# Altium PCB m-BLANC.PcbDoc (part 9 of 15) (continued)
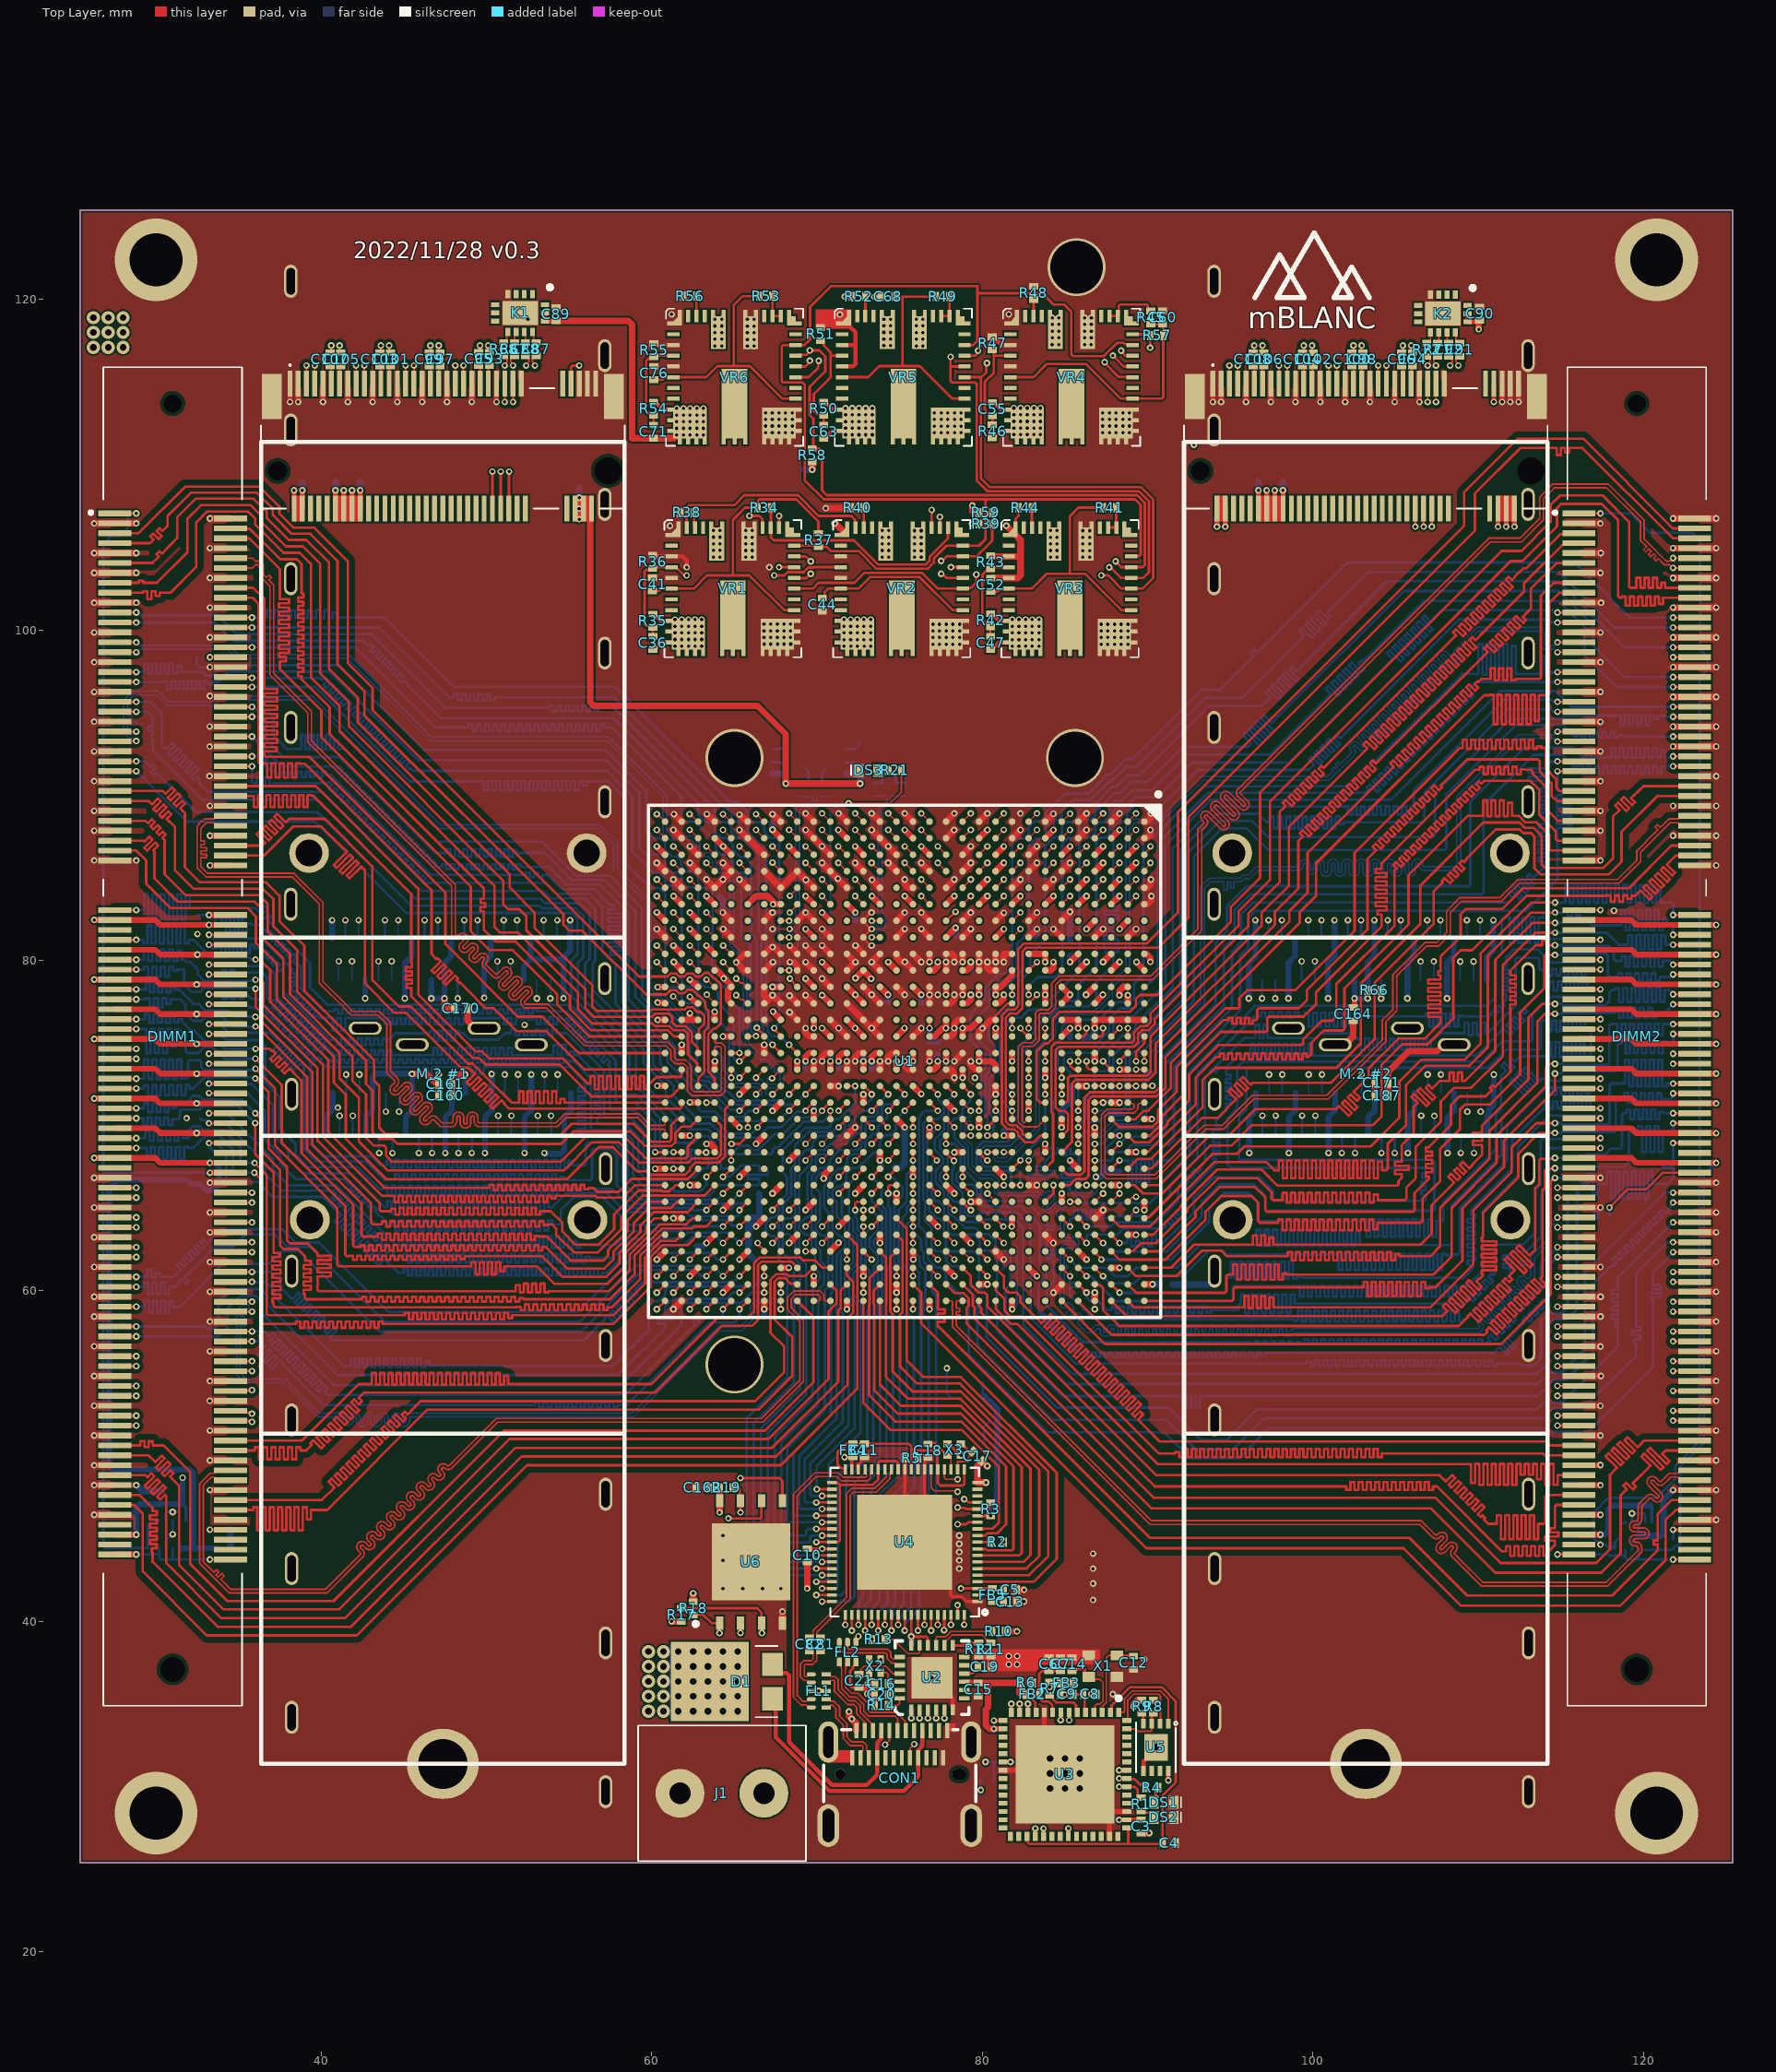
[diagram p0: Top Layer view]
## Nets (pads, with @x,y where several pads share a name; then routed paths per layer and width w, separated by ;. In a path a pad name is that pad's centre, name@x,y a point inside that pad or via, vN(x,y) a via of type N, cw(c..) or ccw(c..) an arc to the next point about the centre after c; other vN are vias at no path point) (continued)
DRAM2_EVENT#: DIMM2.198 R32.1 | length 1.9
  Top Layer w0.15: v1(121.8,45.55) DIMM2.198@123.1,45.55
  Bottom Layer w0.15: v1(121.8,45.55) 121.806,45.544 121.806,44.987 R32.1@121.812,44.981
DRAM2_ODT0: DIMM2.116 R22.1 U1.E30 | length 71.8
  Top Layer w0.15: U1.E30@85.8,59.4 85.8,59.37 87.82,57.35 110.376,57.35 110.387,57.361 110.576,57.55 110.494,57.632 110.671,57.809 111.11,57.37 111.287,57.546 110.756,58.078 110.932,58.255 111.464,57.723 111.641,57.9 111.109,58.431 111.286,58.608 111.817,58.077 111.994,58.254 111.463,58.785 111.64,58.962 112.171,58.43 112.348,58.607 111.816,59.139 111.993,59.315 112.525,58.784 112.701,58.961 112.17,59.492 112.347,59.669 112.878,59.137 113.055,59.314 112.523,59.846 112.7,60.022 113.232,59.491 113.408,59.668 112.877,60.199 113.054,60.376 113.585,59.845 113.762,60.021 113.231,60.553 113.407,60.73 113.939,60.198 114.116,60.375 113.758,60.732 113.811,60.785 113.892,60.866 113.892,66.094 114.042,66.245 114.042,67.302 114.13,67.39 114.606,67.39 v1(114.65,67.434) ; v1(121.8,70.15) DIMM2.116@123.1,70.15
  Bottom Layer w0.15: v1(114.65,67.434) 116.341,67.434 116.422,67.515 118.805,67.515 119.124,67.833 119.124,69.557 119.212,69.645 119.6,69.645 119.675,69.645 119.675,69.977 119.925,69.977 119.925,68.406 120.175,68.406 120.175,69.977 120.425,69.977 120.425,68.406 120.675,68.406 120.675,69.977 120.925,69.977 120.925,68.406 121.175,68.406 121.175,69.645 121.266,69.645 121.712,69.645 121.8,69.733 v1(121.8,70.15) 121.803,70.147 R22.1@122.464,70.147
DRAM2_ODT1: DIMM2.120 R24.1 U1.F30 | length 72.3
  Top Layer w0.15: U1.F30@84.8,59.4 87.407,56.793 111.386,56.793 114.396,59.803 114.396,66.629 114.609,66.842 v1(114.65,66.842) ; v1(121.8,68.95) DIMM2.120@123.1,68.95
  Bottom Layer w0.15: v1(114.65,66.842) 115.958,66.842 116.325,66.475 116.601,66.475 116.676,66.475 116.676,67.125 116.926,67.125 116.926,65.813 117.176,65.813 117.176,66.475 117.687,66.475 117.718,66.475 117.793,66.475 117.793,67.227 118.043,67.227 118.043,65.584 118.293,65.584 118.293,67.227 118.543,67.227 118.543,65.584 118.793,65.584 118.793,67.227 119.043,67.227 119.043,65.584 119.293,65.584 119.293,67.227 119.543,67.227 119.543,65.584 119.793,65.584 119.793,67.227 120.043,67.227 120.043,65.584 120.293,65.584 120.293,67.227 120.543,67.227 120.543,66.475 120.793,66.475 121.475,66.475 121.8,66.8 121.8,67.4 121.8,67.475 121.177,67.475 121.177,67.725 121.8,67.725 121.8,67.891 v1(121.8,68.95) 121.802,68.948 122.338,68.948 R24.1@122.34,68.946
DRAM2_RAS#: DIMM2.110 U1.C30 | length 66.7
  Top Layer w0.15: U1.C30@87.8,59.4 88.729,58.471 107.827,58.471 108.087,58.731 108.14,58.784 107.86,59.064 108.037,59.241 108.628,58.65 108.805,58.827 108.213,59.418 108.39,59.595 108.981,59.003 109.158,59.18 108.567,59.771 108.744,59.948 109.335,59.357 109.512,59.534 108.921,60.125 109.097,60.302 109.689,59.71 109.865,59.887 109.274,60.479 109.451,60.655 110.042,60.064 110.219,60.241 109.88,60.58 110.057,60.756 110.084,60.729 110.174,60.818 110.287,60.932 110.3,60.944 110.3,61.007 110.228,61.007 110.228,61.257 111.108,61.257 111.108,61.507 110.228,61.507 110.228,61.757 111.108,61.757 111.108,62.007 110.228,62.007 110.228,62.257 111.108,62.257 111.108,62.507 110.228,62.507 110.228,62.757 111.108,62.757 111.108,63.007 110.228,63.007 110.228,63.257 110.3,63.257 110.3,63.398 110.3,64.742 112.425,66.867 112.425,68.295 113.692,69.562 v1(114.65,69.562) ; v1(121.8,71.95) DIMM2.110@123.1,71.95
  Bottom Layer w0.15: v1(114.65,69.562) 115.019,69.562 115.082,69.625 118.25,69.625 118.338,69.713 118.338,71.521 118.426,71.609 118.754,71.609 118.829,71.609 118.829,71.973 119.079,71.973 119.079,71.366 119.329,71.366 119.329,71.973 119.579,71.973 119.579,71.366 119.829,71.366 119.829,71.973 120.079,71.973 120.079,71.366 120.329,71.366 120.329,71.973 120.579,71.973 120.579,71.366 120.829,71.366 120.829,71.965 121.079,71.965 121.079,71.609 121.204,71.609 121.664,71.609 121.752,71.697 121.752,71.902 v1(121.8,71.95)
DRAM2_RESET#: DIMM2.30 R26.1 U1.E24 | length 77.8
  Top Layer w0.15: v1(85.3,65.4) U1.E24@85.8,65.4 ; v1(121.8,98.35) DIMM2.30@123.1,98.35
  InLayer4 (GND) w0.1: v1(85.3,65.4) 86.8,63.9 91.2,63.9 92.6,62.5 113.7,62.5 114.473,63.273 121.055,63.273 121.346,63.564 123.428,63.564 123.487,63.622 123.487,96.663 v1(121.8,98.35)
  Bottom Layer w0.15: v1(121.8,98.35) 121.802,98.352 R26.1@122.498,98.352
DRAM2_VTT: C27.1 DIMM2.203 DIMM2.204 U8.3 U8.5 | length 10.8
  Top Layer w0.15: v1(114.8,44.05) DIMM2.203@116.1,44.05 ; v1(121.8,43.75) DIMM2.204@123.1,43.75
  Bottom Layer w0.15: v1(114.8,44.05) 117.839,44.05 117.909,43.98 118.912,43.98 ; U8.5@118.912,44.338 118.912,43.98 ; U8.3@119.712,44.338 119.714,44.336 119.714,43.741 ; C27.1@121.089,43.741 119.714,43.741 ; C27.1@121.099,43.75 v1(121.8,43.75) ; 118.912,43.98 118.912,43.828 119,43.741 119.714,43.741
DRAM2_VTTREF: C23.2 C24.2 C25.2 C29.2 C172.2 C173.2 C174.2 DIMM2.1 DIMM2.126 U1.C20 U1.K18 U1.L28 U1.M20 U8.6 | length 173.3
  Top Layer w0.15: U1.M20@78.8,69.4 v1(79.3,69.4) ; U1.L28@79.8,61.4 v1(80.3,60.9) ; v1(80.8,70.9) U1.K18@80.8,71.4 ; U1.C20@87.8,69.4 v1(88.3,69.4) ; DIMM2.1@116.1,107.05 v1(117.4,107.05) ; v1(117.95,65.051) 119.054,66.155 120.174,66.155 121.168,67.15 DIMM2.126@123.1,67.15
  InLayer3 (PWR) w0.1: v1(79.3,69.4) 78.95,69.4 78.456,68.906 78.306,68.906 ; v1(80.3,60.9) 80.3,61.405 78.95,62.755 78.95,62.76 78.891,62.819 78.891,65.191 78.832,65.25 77.959,65.25 77.901,65.309 77.901,66.506 78.15,66.755 78.15,67.045 77.812,67.383 77.812,68.412 78.306,68.906 ; v1@80.795,70.914 80.386,70.914 80.019,71.281 77.992,71.281 77.933,71.222 77.933,69.267 78.294,68.906 78.306,68.906
  InLayer3 (PWR) w0.15: v1(86.8,58.9) 86.8,59.337 86.888,59.425 116.723,59.425 116.921,59.226 118.177,59.226 ; v1(117.4,44.65) 118.184,45.434 118.184,64.816 v1(117.95,65.051)
  InLayer4 (GND) w0.1: v1(80.8,70.9) 82.3,69.4 v1(88.3,69.4)
  InLayer4 (GND) w0.15: v1(80.3,60.9) 80.33,60.9 82.33,58.9 v1(86.8,58.9)
  Bottom Layer w0.15: v1(80.8,70.9) 80.836,70.9 81.15,70.586 C173.2@81.225,70.586 ; C172.2@87.404,68.293 87.408,68.293 87.533,68.418 87.533,68.663 88.27,69.4 v1(88.3,69.4) ; C24.2@116.6,45.8 116.972,45.8 116.995,45.822 ; C23.2@116.826,107.052 116.828,107.05 v1(117.4,107.05) 119.239,107.05 120.403,105.886 122.939,105.886 123.439,105.386 123.439,98.786 123.875,98.351 123.875,97.595 123.4,97.12 123.4,50.9 121.933,49.433 121.933,48.635 120.79,47.493 117.898,47.493 116.995,46.589 116.995,45.822 ; C174.2@117.945,64.576 C174.2@117.95,64.581 ; U8.6@118.912,46.038 118.912,45.98 118.887,45.955 118.612,45.955 118.612,45.131 118.259,44.777 118.259,44.403 C29.2@118.245,44.388 118.122,44.511 117.842,44.511 117.703,44.65 v1(117.4,44.65) 116.995,45.055 116.995,45.822
  Bottom Layer w0.2: C174.2@117.95,64.581 v1(117.95,65.051)
DRAM2_WE#: DIMM2.113 U1.C29 | length 66.8
  Top Layer w0.15: U1.C29@87.8,60.4 v1(88.3,59.9) ; DIMM2.113@116.1,71.05 117.221,71.05 v1(117.4,71.05)
  Bottom Layer w0.15: v1@88.31,59.89 94.679,59.89 94.767,59.978 94.767,60.712 94.854,60.8 94.974,60.8 95.049,60.8 95.049,61.769 95.299,61.769 95.299,60.756 95.549,60.756 95.549,61.769 95.799,61.769 95.799,60.756 96.049,60.756 96.049,61.769 96.299,61.769 96.299,60.756 96.549,60.756 96.549,61.769 96.799,61.769 96.799,60.756 97.049,60.756 97.049,61.769 97.299,61.769 97.299,60.756 97.549,60.756 97.549,61.769 97.799,61.769 97.799,60.756 98.049,60.756 98.049,61.769 98.299,61.769 98.299,60.756 98.549,60.756 98.549,61.769 98.799,61.769 98.799,60.756 99.049,60.756 99.049,60.849 99.299,60.849 99.299,60.8 99.593,60.8 109.13,60.8 109.663,61.333 109.663,61.534 109.663,61.609 109.346,61.609 109.346,61.859 109.818,61.859 109.818,62.109 109.346,62.109 109.346,62.359 109.818,62.359 109.818,62.609 109.346,62.609 109.346,62.859 109.818,62.859 109.818,63.109 109.346,63.109 109.346,63.359 109.818,63.359 109.818,63.609 109.346,63.609 109.346,63.859 109.818,63.859 109.818,64.109 109.346,64.109 109.346,64.359 109.818,64.359 109.818,64.609 109.542,64.609 109.542,64.859 109.663,64.859 109.663,64.964 109.663,65.029 112.063,67.428 112.063,69.145 113.968,71.05 114.043,71.05 114.043,71.484 114.293,71.484 114.293,71.047 114.543,71.047 114.543,71.484 114.793,71.484 114.793,71.047 115.043,71.047 115.043,71.484 115.293,71.484 115.293,71.047 115.543,71.047 115.543,71.484 115.793,71.484 115.793,71.047 116.043,71.047 116.043,71.484 116.293,71.484 116.293,71.047 116.543,71.047 116.543,71.484 116.793,71.484 116.793,71.05 117.305,71.05 v1(117.4,71.05)
FLASH_CLK: U1.H13 U6.6 | length 49.1
  Top Layer w0.15: v1(64.628,46.239) 64.643,46.225 66.547,46.225 66.635,46.313 U6.6@66.635,47.3 ; v1(82.8,75.9) U1.H13@82.8,76.4
  InLayer1 (GND) w0.1: v1(64.628,46.239) 64.628,48.751 65.201,49.323 65.85,49.323 70.5,53.973 70.5,57.317 71.45,58.267 71.45,59.172 72.45,60.172 72.45,61.045 72.852,61.447 72.852,62.485 73.2,62.833 73.2,63.039 73.435,63.274 73.65,63.274 73.85,63.473 73.85,64.289 73.639,64.5 72.1,64.5 71.9,64.7 71.9,71.495 72.705,72.3 78.8,72.3 79.2,72.7 79.2,73.284 79.323,73.407 80.246,73.407 81.4,74.561 81.4,76.1 81.6,76.3 82.4,76.3 v1(82.8,75.9)
FLASH_CS: R18.1 U1.V26 U6.1 | length 32.2
  Top Layer w0.15: R18.1@62.5,40.4 63.111,40.4 63.611,39.9 U6.1@64.095,39.9 64.09,39.895 v1(64.09,39.296) ; U1.V26@72.8,63.4 v1(72.8,63.9)
  InLayer1 (GND) w0.1: v1(64.09,39.296) 64.09,41.016 63.5,41.606 63.5,46.778 63.872,47.15 64.17,47.15 64.228,47.209 64.228,48.916 65.035,49.723 65.684,49.723 70.1,54.139 70.1,57.483 71.05,58.433 71.05,59.35 72.05,60.35 72.05,61.211 72.452,61.613 72.452,62.651 72.8,62.999 v1(72.8,63.9)
FLASH_IO0: U1.R30 U6.5 | length 21
  Top Layer w0.15: v1@65.434,48.602 65.507,48.675 67.725,48.675 67.9,48.5 U6.5@67.9,47.295 ; v1(75.8,58.9) U1.R30@75.8,59.4
  InLayer1 (GND) w0.1: v1(65.361,48.675) 65.794,48.675 70.9,53.781 70.9,57.151 72.049,58.3 75.275,58.3 75.8,58.825 v1(75.8,58.9)
FLASH_IO1: U1.T30 U6.2 | length 26.7
  Top Layer w0.15: v1(65.36,39.301) 65.36,39.895 U6.2@65.365,39.9 ; v1(74.8,58.9) U1.T30@74.8,59.4
  InLayer1 (GND) w0.1: v1(65.36,39.301) 64.978,39.683 64.978,48.818 65.233,49.073 65.883,49.073 70.7,53.89 70.7,57.234 71.966,58.5 74.435,58.5 v1@74.775,58.84
FLASH_IO2: R17.1 U1.R28 U6.3 | length 35.2
  Top Layer w0.15: R17.1@61.774,40.781 61.792,40.8 66.37,40.8 66.635,40.535 U6.3@66.635,39.9 66.655,39.88 v1(66.655,39.298) ; U1.R28@75.8,61.4 75.813,61.388 75.813,60.912 v1@75.825,60.9
  InLayer1 (GND) w0.1: v1(66.655,39.298) 66,39.952 66,48.315 71.3,53.615 71.3,56.986 72.214,57.9 75.677,57.9 76.375,58.598 76.375,59.33 75.825,59.88 v1@75.825,60.9
  other v1: 75.8,60.9
FLASH_IO3: R19.1 U1.T28 U6.7 | length 24.2
  Top Layer w0.15: R19.1@64.9,48.1 65.225,48.1 65.313,48.012 65.313,47.352 U6.7@65.365,47.3 65.361,47.296 v1(65.361,46.6) ; v1(74.8,60.9) U1.T28@74.8,61.4
  InLayer1 (GND) w0.1: v1(65.361,46.6) 65.361,48.261 65.425,48.325 65.727,48.325 71.1,53.698 71.1,57.069 72.131,58.1 75.595,58.1 76.175,58.68 76.175,59.247 75.625,59.797 75.625,60.575 75.296,60.903 v1@74.82,60.903
FT_BE0: U1.T25 U4.4 | length 31.3
  Top Layer w0.15: U1.T25@74.8,64.4 75.425,63.775 75.425,55.798 76.436,54.787 78.705,54.787 84.5,48.993 84.5,43.786 83.114,42.4 U4.4@79.7,42.4
FT_BE1: U1.T26 U4.5 | length 29.7
  Top Layer w0.15: U1.T26@74.8,63.4 75.175,63.025 75.175,58.745 75.018,58.587 75.018,55.437 76.058,54.397 78.642,54.397 83.988,49.051 83.988,43.959 82.829,42.8 U4.5@79.7,42.8
FT_BE2: U1.T27 U4.6 | length 28.1
  Top Layer w0.15: U1.T27@74.8,62.4 74.425,62.024 74.425,58.741 74.569,58.597 74.569,55.131 75.782,53.918 78.691,53.918 83.435,49.173 83.435,43.968 82.667,43.2 U4.6@79.7,43.2
FT_BE3: U1.U27 U4.7 | length 27.4
  Top Layer w0.15: U1.U27@73.8,62.4 74.16,62.04 74.16,61.57 74.175,61.555 74.175,59.245 74.16,59.23 74.16,54.821 75.503,53.478 78.671,53.478 82.907,49.242 82.907,44.01 82.497,43.6 U4.7@79.7,43.6
FT_CLK: U1.W18 U4.58 | length 33.5
  Top Layer w0.15: v1(71.3,70.9) U1.W18@71.8,71.4 ; v1(71.7,39.8) U4.58@71.7,40.4
  InLayer2 (Signal) w0.15: v1(71.3,70.9) 71.675,70.525 71.675,67.203 71.675,65.745 71.252,65.322 71.252,64.485 71.675,64.062 71.675,63.436 71.675,62.77 71.425,62.52 71.425,58.745 71.675,58.495 71.675,50.647 71.234,50.205 71.234,49.681 71.671,49.244 71.671,39.829 v1(71.7,39.8)
FT_D0: U1.V22 U4.40 | length 22.3
  Top Layer w0.15: v1(69.975,48) U4.40@70.9,48 ; v1(72.3,66.9) U1.V22@72.8,67.4
  Bottom Layer w0.15: v1(69.975,48) 69.975,49.39 72.261,51.676 72.261,58.477 72.425,58.641 72.425,59.159 71.925,59.659 71.925,61.137 72.425,61.637 72.425,63.391 72.175,63.641 72.175,64.262 71.925,64.512 71.925,66.471 72.3,66.846 v1(72.3,66.9)
FT_D1: U1.W23 U4.41 | length 22.1
  Top Layer w0.15: v1(70.3,47.6) U4.41@70.9,47.6 ; v1(71.3,65.9) U1.W23@71.8,66.4
  Bottom Layer w0.15: v1(70.3,47.6) 69.682,47.6 69.595,47.688 69.595,49.566 71.902,51.873 71.902,58.472 72.175,58.745 72.175,59.055 71.675,59.555 71.675,61.241 72.175,61.741 72.175,63.288 71.925,63.538 71.925,64.159 71.5,64.584 71.5,65.687 71.3,65.887 v1(71.3,65.9)
FT_D2: U1.R18 U4.42 | length 30.1
  Top Layer w0.15: v1(69.95,47.2) U4.42@70.9,47.2 ; v1(75.3,70.9) U1.R18@75.8,71.4
  Bottom Layer w0.15: v1(69.95,47.2) 69.343,47.2 69.255,47.288 69.255,49.817 71.55,52.111 71.55,58.62 71.425,58.745 71.425,62.055 71.77,62.4 71.925,62.555 71.925,63.184 71.675,63.434 71.675,64.055 71.175,64.555 71.175,65.422 70.925,65.672 70.925,66.055 71.17,66.3 71.4,66.3 71.761,66.661 71.761,67.087 72.122,67.447 72.478,67.447 73.402,68.371 73.547,68.371 73.798,68.622 73.798,69.09 74.138,69.43 74.478,69.43 74.758,69.71 74.758,70.358 v1(75.3,70.9)
FT_D3: U1.W22 U4.43 | length 24.6
  Top Layer w0.15: v1(70.3,46.8) U4.43@70.9,46.8 ; v1(71.3,66.9) U1.W22@71.8,67.4
  Bottom Layer w0.15: v1(70.3,46.8) 69.013,46.8 68.925,46.888 68.925,50.024 71.175,52.275 71.175,62.159 71.675,62.659 71.675,63.08 71.446,63.31 71.36,63.31 70.925,63.745 70.925,65.102 70.675,65.352 70.675,66.2 71.187,66.712 71.187,66.719 71.3,66.832 v1(71.3,66.9)
FT_D4: U1.T18 U4.44 | length 30.9
  Top Layer w0.15: v1(69.95,46.4) U4.44@70.9,46.4 ; v1(74.3,70.909) 74.304,70.909 74.795,71.4 U1.T18@74.8,71.4
  Bottom Layer w0.15: v1(69.95,46.4) 68.659,46.4 68.571,46.488 68.571,50.171 70.832,52.432 70.832,59.848 70.925,59.941 70.925,62.779 70.925,63.237 70.919,63.242 70.919,63.281 70.675,63.525 70.675,64.769 70.425,65.019 70.425,66.304 70.77,66.649 70.77,66.901 71.267,67.398 71.493,67.398 71.813,67.717 71.813,68.013 72.075,68.275 72.697,68.275 72.925,68.503 72.925,69.055 73.37,69.5 73.564,69.5 73.678,69.614 73.678,69.929 74.252,70.504 74.252,70.861 v1(74.3,70.909)
FT_D5: U1.W21 U4.45 | length 27.7
  Top Layer w0.15: v1(70.3,46) U4.45@70.9,46 ; v1(71.3,67.9) U1.W21@71.8,68.4
  Bottom Layer w0.15: v1(70.3,46) 69.4,46 68.287,46 68.286,46 68.198,46.088 68.198,46.233 68.198,50.298 68.198,50.498 68.253,50.553 70.3,52.6 70.464,52.764 70.464,52.829 70.464,60.05 70.675,60.261 70.675,62.675 70.675,63.133 70.444,63.364 70.243,63.364 69.925,63.682 69.925,64.055 70.175,64.305 70.175,65.12 70.175,65.902 69.925,66.152 69.925,66.864 70.24,67.179 70.58,67.179 71,67.6 v1(71.3,67.9)
FT_D6: U1.T17 U4.46 | length 35.7
  Top Layer w0.15: v1(69.95,45.6) U4.46@70.9,45.6 ; U1.T17@74.8,72.4 v1(75.3,71.9)
  Bottom Layer w0.15: v1(69.95,45.6) 69.444,45.6 69.341,45.496 69.341,45.298 69.242,45.2 68.47,45.2 67.824,45.846 67.824,50.828 70.056,53.059 70.056,60.04 70.425,60.409 70.425,61.601 70.198,61.829 70.198,62.472 69.925,62.745 69.925,63.329 69.675,63.579 69.675,64.307 69.925,64.557 69.925,65.016 69.925,65.551 69.675,65.801 69.675,66.968 70.137,67.429 70.476,67.429 70.775,67.729 70.775,67.929 71.371,68.525 72.458,68.525 72.675,68.742 72.675,69.247 72.928,69.5 72.928,70.057 73.146,70.275 73.55,70.275 73.925,70.65 73.925,71.125 74.1,71.3 74.7,71.3 v1(75.3,71.9)
FT_D7: U1.U17 U4.47 | length 36.4
  Top Layer w0.15: v1(70.3,45.2) U4.47@70.9,45.2 ; U1.U17@73.8,72.4 v1(74.3,71.9)
  Bottom Layer w0.15: v1(70.3,45.2) 69.663,45.2 69.575,45.112 69.575,44.859 69.487,44.771 68.315,44.771 67.443,45.643 67.443,51.182 69.721,53.46 69.721,60.291 70.02,60.59 70.175,60.745 70.175,61.055 70.02,61.21 69.864,61.366 69.864,62.452 69.675,62.641 69.675,63.225 69.5,63.4 69.27,63.4 68.925,63.745 68.925,64.055 69.31,64.44 69.444,64.44 69.675,64.671 69.675,65.055 69.425,65.305 69.425,67.071 69.925,67.571 69.925,68.055 70.145,68.275 70.688,68.275 71.274,68.862 71.708,68.862 72.369,69.522 72.573,69.522 72.678,69.627 72.678,70.261 72.942,70.525 73.446,70.525 73.675,70.754 73.675,71.275 v1(74.3,71.9)
FT_D8: U1.U18 U4.50 | length 34.6
  Top Layer w0.15: v1(69.95,44) U4.50@70.9,44 ; v1(73.3,70.909) 73.305,70.909 73.795,71.4 U1.U18@73.8,71.4
  Bottom Layer w0.15: v1(69.95,44) 68.447,44 67.026,45.421 67.026,51.44 69.34,53.755 69.34,61.597 68.925,62.013 68.925,63.391 68.675,63.641 68.675,64.159 68.925,64.409 68.925,66.995 69.675,67.745 69.675,68.238 69.962,68.525 70.455,68.525 71.042,69.112 71.438,69.112 71.928,69.601 71.928,70.053 72.784,70.909 v1(73.3,70.909)
FT_D9: U1.V17 U4.51 | length 37.4
  Top Layer w0.15: v1(70.3,43.6) U4.51@70.9,43.6 ; U1.V17@72.8,72.4 72.83,72.4 73.3,71.93 v1(73.3,71.9)
  Bottom Layer w0.15: v1(70.3,43.6) 68.23,43.6 66.608,45.222 66.608,51.698 68.969,54.059 68.969,61.615 68.675,61.909 68.675,63.055 68.292,63.438 67.999,63.438 67.925,63.512 67.925,64.218 68.098,64.39 68.463,64.39 68.675,64.602 68.675,67.183 68.925,67.433 68.925,68.125 69.325,68.525 69.522,68.525 69.75,68.753 69.75,69.003 70.122,69.375 71.348,69.375 71.678,69.705 71.678,70.296 72.7,71.318 73.005,71.318 73.293,71.606 73.293,71.893 v1(73.3,71.9)
FT_D10: U1.W19 U4.52 | length 35
  Top Layer w0.15: v1(69.95,43.2) U4.52@70.9,43.2 ; v1(71.3,69.9) U1.W19@71.8,70.4
  Bottom Layer w0.15: v1(69.95,43.2) 67.969,43.2 66.163,45.006 66.163,52.018 68.597,54.452 68.597,61.129 68.719,61.25 68.719,61.512 67.925,62.306 67.925,63.159 67.675,63.409 67.675,64.346 67.925,64.596 67.925,65.24 68.425,65.74 68.425,67.424 68.675,67.674 68.675,68.805 69.495,69.625 70.974,69.625 71.249,69.9 v1(71.3,69.9)
FT_D11: U1.W17 U4.53 | length 39.3
  Top Layer w0.15: v1(70.3,42.8) U4.53@70.9,42.8 ; U1.W17@71.8,72.4 v1(72.3,72.4)
  Bottom Layer w0.15: v1(70.3,42.8) 67.722,42.8 65.737,44.786 65.737,52.297 68.188,54.749 68.188,60.812 67.898,61.102 67.898,61.702 67.675,61.925 67.675,63.055 67.403,63.328 67.197,63.328 66.9,63.625 66.9,64.1 67.25,64.45 67.425,64.45 67.675,64.7 67.675,65.344 68.175,65.844 68.175,66.9 67.925,67.15 67.925,68.499 69.301,69.875 70.719,69.875 70.807,69.963 70.807,70.112 71.097,70.402 71.332,70.402 72.3,71.37 v1(72.3,72.4)
FT_D12: U1.V24 U4.54 | length 26.4
  Top Layer w0.15: v1(69.95,42.4) U4.54@70.9,42.4 ; v1(72.3,64.9) 72.3,65.312 72.388,65.4 U1.V24@72.8,65.4
  Bottom Layer w0.15: v1(69.95,42.4) 69.975,42.425 70.455,42.425 70.71,42.68 70.71,49.524 72.629,51.443 72.629,58.492 72.675,58.538 72.675,59.281 72.175,59.781 72.175,61.033 72.675,61.533 72.675,63.495 72.425,63.745 72.425,64.366 72.316,64.475 72.316,64.884 v1(72.3,64.9)
FT_D13: U1.U25 U4.55 | length 25.2
  Top Layer w0.15: v1(70.3,42) U4.55@70.9,42 ; v1(73.3,63.9) U1.U25@73.8,64.4
  Bottom Layer w0.15: v1(70.3,42) 71.147,42 71.235,42.089 71.235,42.178 71.235,48.773 73.036,50.573 73.036,58.824 73.175,58.963 73.175,61.2 72.925,61.45 72.925,63.495 73.3,63.87 v1(73.3,63.9)
FT_D14: U1.U24 U4.56 | length 28
  Top Layer w0.15: v1(69.95,41.6) U4.56@70.9,41.6 ; v1(73.3,64.9) U1.U24@73.8,65.4
  Bottom Layer w0.15: v1(69.95,41.6) 71.473,41.6 71.746,41.873 71.746,48.538 73.399,50.191 73.399,58.834 73.425,58.859 73.425,61.47 73.498,61.543 73.498,61.548 73.675,61.725 73.675,62.141 73.175,62.641 73.175,63.175 73.675,63.675 73.675,64.525 v1(73.3,64.9)
FT_D15: U1.U23 U4.57 | length 29.2
  Top Layer w0.15: v1(70.3,41.2) U4.57@70.9,41.2 ; v1(73.3,65.9) U1.U23@73.8,66.4
  Bottom Layer w0.15: v1(70.3,41.2) 71.909,41.2 72.25,41.54 72.25,48.357 73.807,49.914 73.807,58.302 73.675,58.434 73.675,61.366 73.925,61.616 73.925,62.245 73.425,62.745 73.425,63.055 73.668,63.298 73.682,63.298 73.925,63.541 73.925,64.805 73.3,65.43 v1(73.3,65.9)
FT_D16: U1.U22 U4.60 | length 29.7
  Top Layer w0.15: v1(72.5,39.8) U4.60@72.5,40.4 ; v1(73.3,66.9) U1.U22@73.8,67.4
  Bottom Layer w0.15: v1(72.5,39.8) 72.5,41.166 72.775,41.441 72.775,48.162 74.188,49.575 74.188,58.274 73.925,58.538 73.925,61.262 74.175,61.512 74.175,64.573 74.175,64.909 73.9,65.184 73.9,66.3 v1(73.3,66.9)
FT_D17: U1.T23 U4.61 | length 29.4
  Top Layer w0.15: v1(72.9,39.45) U4.61@72.9,40.4 ; v1(74.3,65.9) 74.3,66.312 74.388,66.4 U1.T23@74.8,66.4
  Bottom Layer w0.15: v1(72.9,39.45) 72.9,40.97 73.257,41.326 73.257,47.888 74.596,49.227 74.596,58.22 74.175,58.641 74.175,61.159 74.425,61.409 74.425,65.012 74.3,65.137 v1(74.3,65.9)
FT_D18: U1.T22 U4.62 | length 30.2
  Top Layer w0.15: v1(73.3,39.8) U4.62@73.3,40.4 ; v1(74.3,66.9) U1.T22@74.8,67.4
  Bottom Layer w0.15: v1(73.3,39.8) 73.3,40.781 73.77,41.251 73.77,41.7 73.77,47.178 73.77,47.663 75.004,48.897 75.004,58.166 74.425,58.745 74.425,61.055 74.675,61.305 74.675,65.245 75.175,65.745 75.175,66.275 74.576,66.874 74.325,66.874 v1(74.3,66.9)
FT_D19: U1.R21 U4.63 | length 31.2
  Top Layer w0.15: v1(73.7,39.45) U4.63@73.7,40.4 ; v1(75.8,67.9) U1.R21@75.8,68.4
  Bottom Layer w0.15: v1(73.7,39.45) 73.7,40.535 74.262,41.097 74.262,47.32 75.42,48.478 75.42,58.396 75.175,58.641 75.175,61.055 75.149,61.081 75.149,61.263 74.925,61.487 74.925,64.909 75.425,65.409 75.425,67.055 75.8,67.43 v1(75.8,67.9)
FT_D20: U1.R23 U4.64 | length 28.5
  Top Layer w0.15: v1(74.1,39.8) U4.64@74.1,40.4 ; v1(75.8,65.9) U1.R23@75.8,66.4
  Bottom Layer w0.15: v1(74.1,39.8) 74.1,40.397 74.726,41.023 74.726,46.957 75.855,48.086 75.855,58.315 75.425,58.745 75.425,61.055 75.506,61.136 75.506,61.26 75.175,61.591 75.175,64.455 75.425,64.705 75.425,65.055 75.8,65.43 v1(75.8,65.9)
FT_D21: U1.R24 U4.65 | length 28.3
  Top Layer w0.15: v1(74.5,39.45) U4.65@74.5,40.4 ; v1(75.8,64.9) U1.R24@75.8,65.4
  Bottom Layer w0.15: v1(74.5,39.45) 74.5,40.281 75.216,40.997 75.216,46.558 76.298,47.64 76.298,58.239 76.175,58.362 76.175,61.125 75.943,61.356 75.763,61.356 75.425,61.694 75.425,64.055 75.8,64.43 v1(75.8,64.9)
FT_D22: U1.R26 U4.66 | length 25.5
  Top Layer w0.15: v1(74.9,39.8) U4.66@74.9,40.4 ; v1(75.8,62.9) U1.R26@75.8,63.4
  Bottom Layer w0.15: v1(74.9,39.8) 74.9,40.114 75.701,40.915 75.701,46.287 76.75,47.336 76.75,58.165 76.425,58.49 76.425,59.313 76.544,59.432 76.544,61.228 76.2,61.572 76.2,62.055 75.8,62.455 v1(75.8,62.9)
FT_D23: U1.R25 U4.67 | length 27.3
  Top Layer w0.15: v1(75.3,39.45) U4.67@75.3,40.4 ; v1(75.8,63.9) U1.R25@75.8,64.4
  Bottom Layer w0.15: v1(75.3,39.45) 75.313,39.463 75.313,39.881 76.164,40.732 76.164,45.864 77.205,46.905 77.205,59.705 76.925,59.985 76.925,61.292 76.45,61.768 76.45,62.353 76.3,62.503 76.3,63.1 75.801,63.599 v1(75.8,63.9)
FT_D24: U1.V21 U4.69 | length 32.6
  Top Layer w0.15: v1(72.3,67.9) U1.V21@72.8,68.4 ; v1(76.1,39.45) U4.69@76.1,40.4
  InLayer2 (Signal) w0.15: v1(72.3,67.9) v1(72.3,67.9) 72.301,67.475 71.925,67.099 71.925,66.055 71.925,65.537 71.576,65.188 71.576,64.599 71.925,64.25 71.925,63.332 71.925,63.123 72.175,62.873 72.175,61.745 71.9,61.47 71.9,59.33 72.175,59.055 72.175,58.745 72.038,58.608 72.038,43.817 76.1,39.756 v1(76.1,39.45)
FT_D25: U1.V20 U4.70 | length 33.2
  Top Layer w0.15: v1(72.3,68.9) U1.V20@72.8,69.4 ; v1(76.5,39.8) U4.70@76.5,40.4
  InLayer2 (Signal) w0.15: v1(72.3,68.9) 72.675,68.525 72.675,67.745 72.675,67.055 72.675,66.745 72.675,66.245 72.675,65.556 72.505,65.385 72.235,65.385 71.9,65.05 71.9,64.7 72.175,64.425 72.175,63.377 72.425,63.127 72.425,61.586 72.15,61.311 72.15,59.534 72.425,59.259 72.425,58.641 72.395,58.611 72.395,44.138 76.452,40.081 76.452,39.848 v1(76.5,39.8)
FT_D26: U1.V25 U4.71 | length 29.2
  Top Layer w0.15: U1.V25@72.8,64.4 72.77,64.4 72.8,64.43 v1(72.8,64.9) ; v1(76.9,39.45) U4.71@76.9,40.4
  InLayer2 (Signal) w0.15: v1(72.8,64.9) 72.8,64.504 72.425,64.129 72.425,63.672 72.675,63.422 72.675,61.305 72.425,61.055 72.425,59.675 72.729,59.371 72.729,44.366 76.9,40.195 v1(76.9,39.45)
FT_D27: U1.V19 U4.72 | length 34.3
  Top Layer w0.15: U1.V19@72.8,70.4 72.8,70.394 73.303,69.891 v1@73.303,69.885 ; v1@77.3,39.808 U4.72@77.3,40.4
  InLayer2 (Signal) w0.15: v1(73.303,69.9) 72.925,69.522 72.925,68.629 73.003,68.551 73.003,67.201 72.925,67.123 72.925,66.603 72.925,65.501 73.044,65.383 73.371,65.383 73.675,65.079 73.675,63.745 73.126,63.196 73.126,62.262 72.925,62.061 72.925,61.305 73.175,61.055 73.175,59.745 73.062,59.632 73.062,44.644 77.242,40.464 77.242,39.856 v1@77.29,39.808
  other v1: 77.3,39.8
FT_D28: U1.V27 U4.73 | length 25.9
  Top Layer w0.15: U1.V27@72.8,62.4 v1(73.3,61.9) ; v1(77.675,39.469) 77.687,39.482 77.687,40.387 U4.73@77.7,40.4
  InLayer2 (Signal) w0.15: v1(73.3,61.9) 73.3,61.379 73.425,61.254 73.425,59.641 73.385,59.601 73.385,44.878 75.567,42.696 77.678,40.584 77.678,39.472 v1(77.675,39.469)
FT_D29: U1.U20 U4.74 | length 32.8
  Top Layer w0.15: v1(73.3,68.9) U1.U20@73.8,69.4 ; v1@78.1,39.808 U4.74@78.1,40.4
  InLayer2 (Signal) w0.15: v1(73.3,68.9) 73.3,67.6 73.675,67.225 73.675,66.533 73.675,65.525 73.925,65.275 73.925,63.555 73.425,63.055 73.425,62.525 73.675,62.275 73.675,45.15 78.1,40.725 v1@78.1,39.808
  other v1: 78.1,39.8
FT_D30: U1.T21 U4.75 | length 30.5
  Top Layer w0.15: v1(74.3,67.9) U1.T21@74.8,68.4 ; v1(78.494,40.994) 78.497,40.992 78.497,40.403 U4.75@78.5,40.4
  InLayer2 (Signal) w0.15: v1(74.3,67.9) 74.3,67.87 73.925,67.495 73.925,66.637 73.925,65.745 74.175,65.495 74.175,62.58 74.033,62.438 74.033,61.37 73.925,61.262 73.925,58.538 73.988,58.474 73.988,45.501 v1(78.494,40.994)
FT_D31: U1.T20 U4.76 | length 33.1
  Top Layer w0.15: v1(74.3,68.9) U1.T20@74.8,69.4 ; v1(78.9,39.808) U4.76@78.9,40.4
  InLayer2 (Signal) w0.15: v1(74.3,68.9) 74.675,68.525 74.675,67.072 75.175,66.572 75.175,65.745 74.583,65.152 74.583,62.634 74.355,62.406 74.355,61.338 74.175,61.159 74.175,58.641 74.303,58.513 74.303,45.797 78.9,41.2 v1(78.9,39.808)
FT_OE: U1.U19 U4.13 | length 29.1
  Top Layer w0.15: U1.U19@73.8,70.4 73.8,70.375 74.265,69.91 v1(74.265,69.9) v1@74.265,69.885 ; v1(78.5,45.882) 79.029,45.882 79.147,46 U4.13@79.7,46
  InLayer2 (Signal) w0.15: v1(74.265,69.9) 75.031,69.134 75.031,67.328 75.425,66.934 75.425,65.178 75,64.753 75,62.548 74.7,62.249 74.7,61.331 74.425,61.055 74.425,58.745 74.777,58.392 74.777,57.823 75.4,57.2 75.4,47.987 76.987,46.4 77.982,46.4 v1(78.5,45.882)
FT_RD: U1.V30 U4.12 | length 20.8
  Top Layer w0.15: U1.V30@72.8,59.4 72.8,58.6 72.8,53.215 74.424,51.591 78.76,51.591 81,49.351 81,45.993 80.623,45.616 80.137,45.616 80.121,45.6 U4.12@79.7,45.6
FT_RST: R3.2 U1.R19 U4.15 | length 29.4
  Top Layer w0.15: v1(75.8,69.9) U1.R19@75.8,70.4 U1.R19@75.8,70.404 ; v1(78.5,46.9) 78.525,46.875 78.925,46.875 79,46.8 U4.15@79.7,46.8 80.4,46.8 80.4,47.1 R3.2@80.5,47.2
  InLayer2 (Signal) w0.15: v1(75.8,69.9) 75.799,69.899 75.799,69.507 75.425,69.133 75.425,67.621 75.657,67.39 75.965,67.39 76.175,67.179 76.175,64.585 75.99,64.4 75.605,64.4 75.4,64.195 75.4,62.446 75.05,62.096 75.05,61.18 75.175,61.055 75.175,58.056 75.8,57.431 75.8,48.349 77.249,46.9 v1(78.5,46.9)
FT_RXF: U1.U29 U4.9 | length 24.2
  Top Layer w0.15: U1.U29@73.8,60.4 73.425,60.025 73.425,59.555 73.425,59.245 73.461,59.209 73.461,53.99 74.873,52.578 78.69,52.578 81.88,49.388 81.88,44.388 81.792,44.3 80.278,44.3 80.203,44.375 79.725,44.375 U4.9@79.7,44.4
FT_TXE: U1.U30 U4.8 | length 23.7
  Top Layer w0.15: U1.U30@73.8,59.4 73.8,54.323 75.076,53.047 78.682,53.047 82.379,49.35 82.379,44.144 82.235,44 U4.8@79.7,44
FT_WK: U1.R20 U4.16 | length 26
  Top Layer w0.15: v1(75.8,68.9) U1.R20@75.8,69.4 ; v1(78.9,47.4) 78.968,47.4 79.168,47.2 U4.16@79.7,47.2
  InLayer2 (Signal) w0.15: v1(75.8,68.9) 76.425,68.275 76.425,62.748 76.077,62.4 75.738,62.4 75.425,62.087 75.425,58.42 76.2,57.645 76.2,48.645 77.445,47.4 v1(78.9,47.4)